# Altium PCB PCB1.PcbDoc (part 4 of 6)
Units mil, origin at the board's own origin, x right, y up, seen from the top; angles counter-clockwise.
Board outline 6000 x 4000 mil, 2 copper layers (Top Layer, Bottom Layer); 1225 components, 1503 nets, 4471 pads, 66 vias.
Unrouted connection lines stored in the file: 2021.
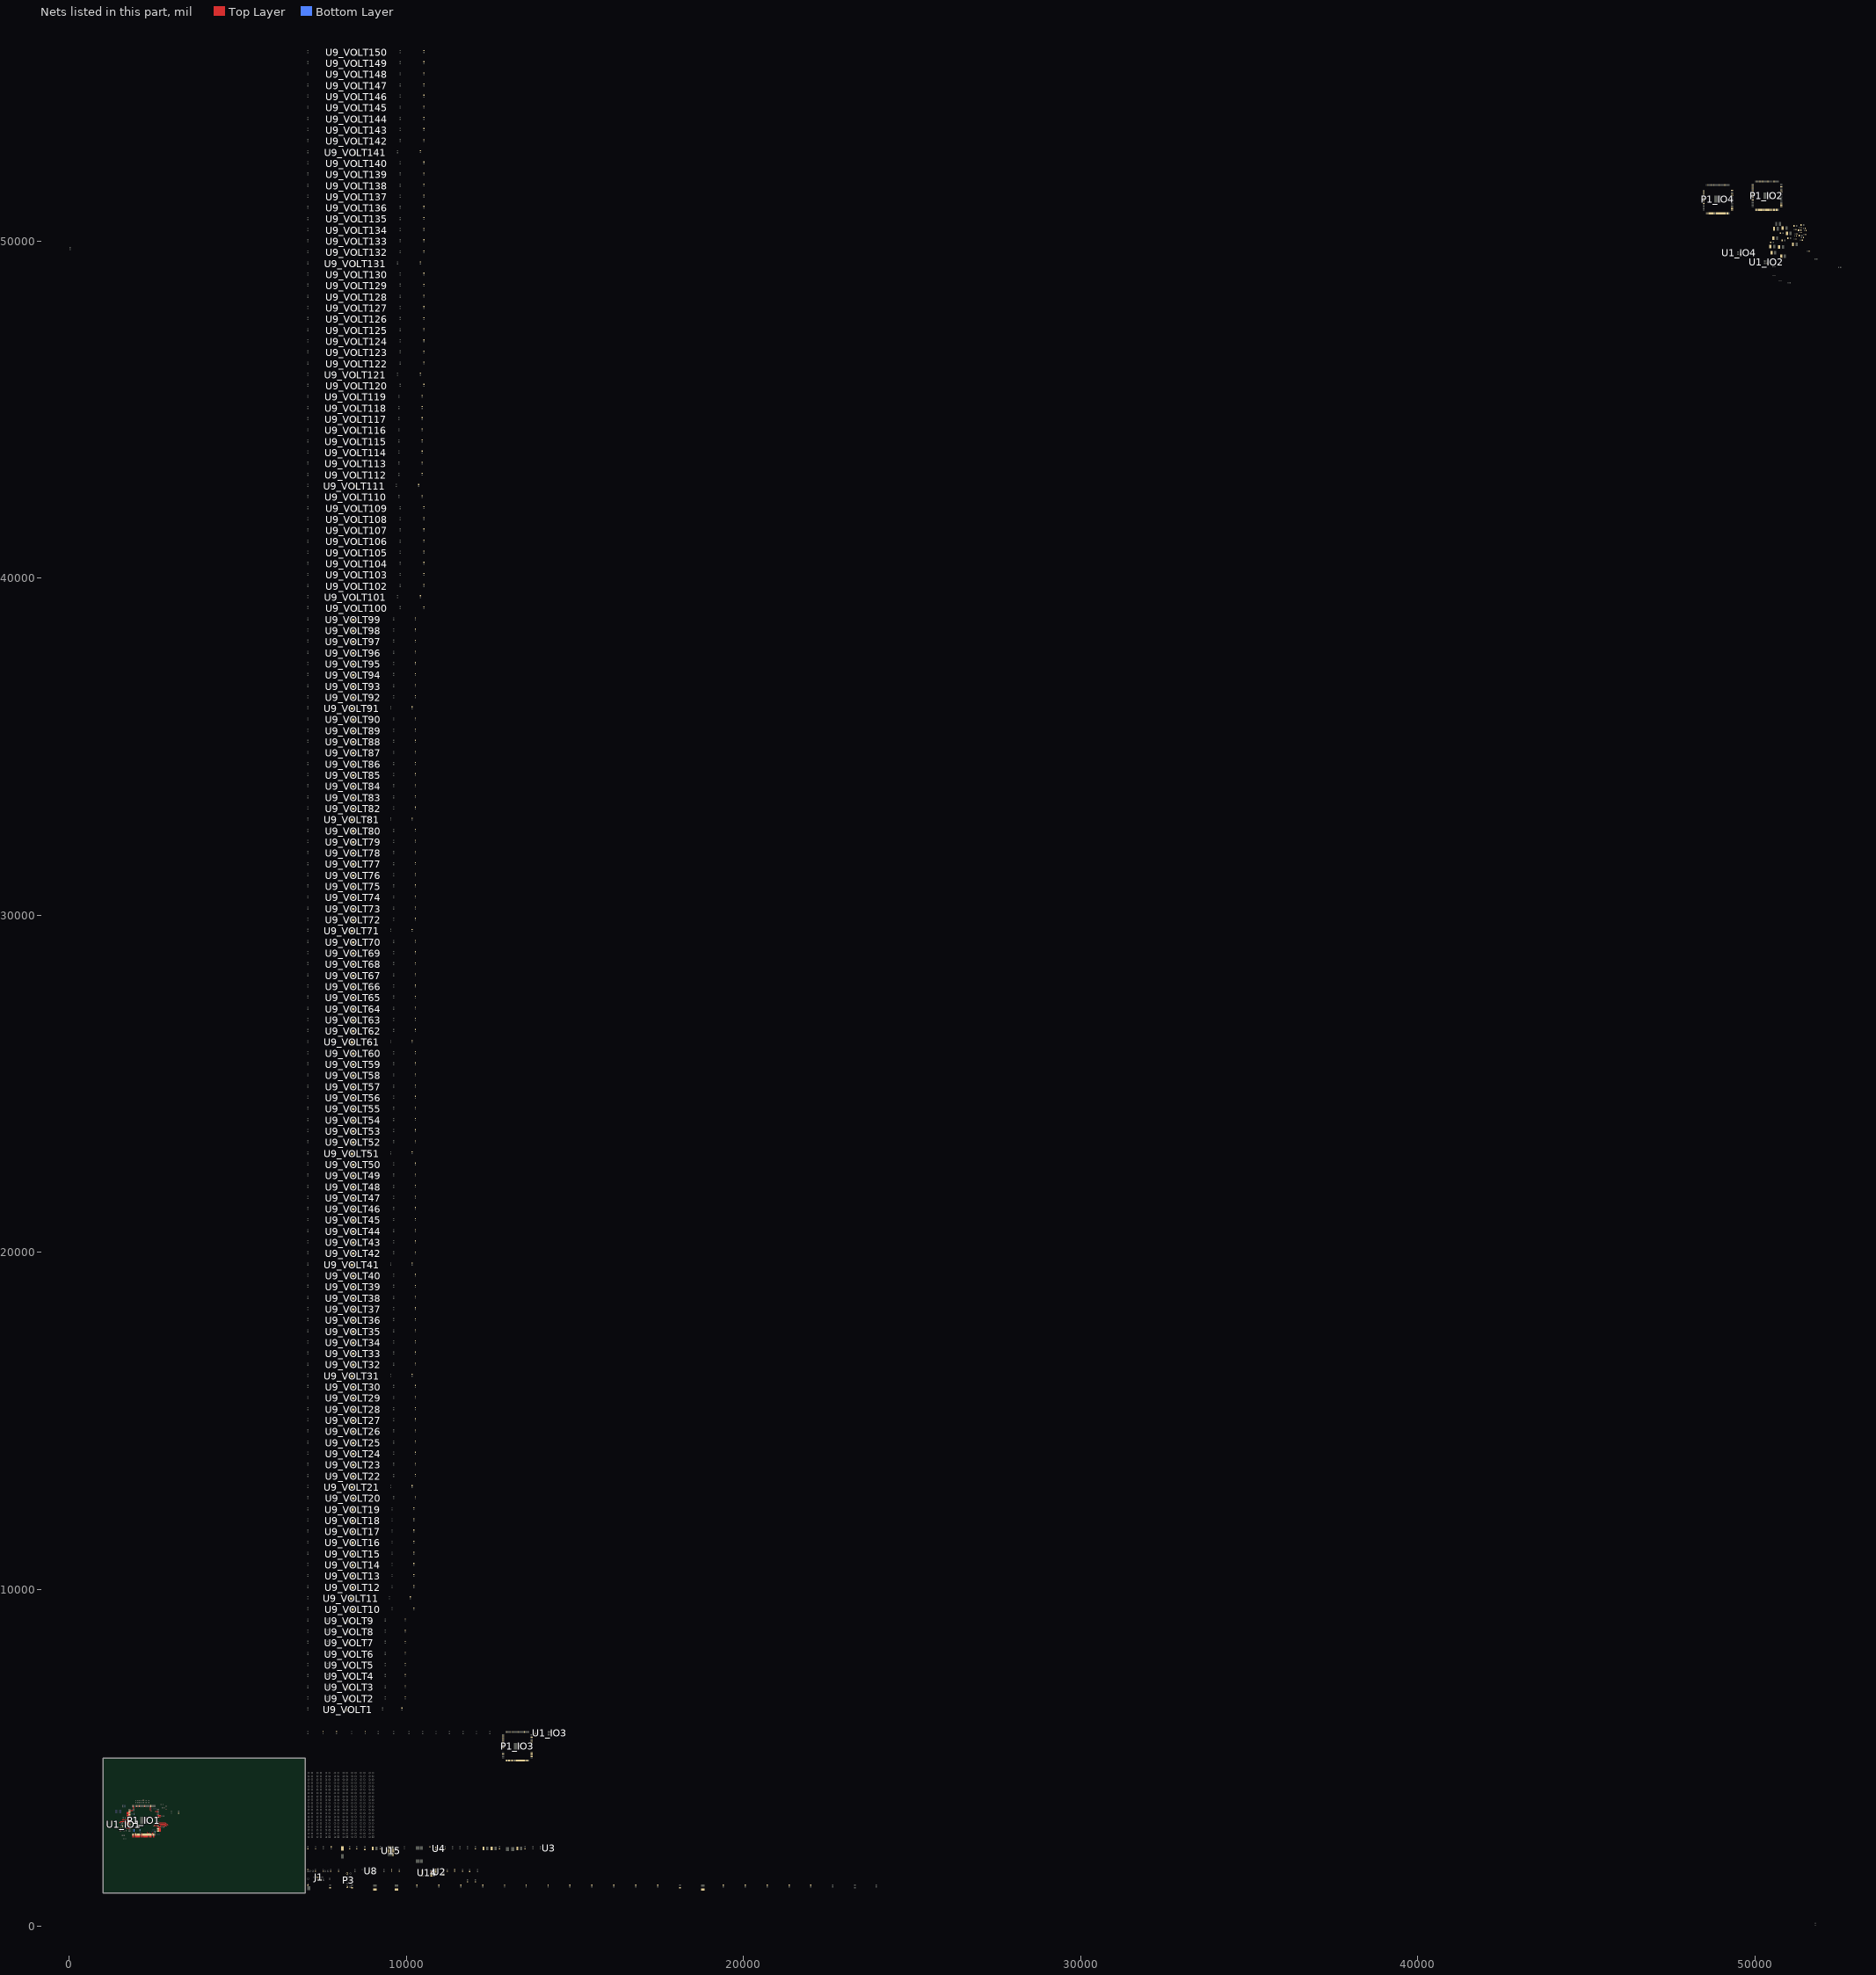
[diagram p4: the nets of this part, all layers, seen from the top]

## Footprints (in the part's own frame and the unit in brackets; to place one, negate y for a bottom-side part, rotate by r counter-clockwise, add the part's x,y. Pads: shape width x height; smd on the part's side, far side on the other; paste and mask are expansions set on the pad)
10M04SCE144C8G [mm]
  rect 1.475x0.3 smd: 1(-10.738,8.75) 2(-10.738,8.25) 3(-10.738,7.75) 4(-10.738,7.25) 5(-10.738,6.75) 6(-10.738,6.25) 7(-10.738,5.75) 8(-10.738,5.25) 9(-10.738,4.75) 10(-10.738,4.25) 11(-10.738,3.75) 12(-10.738,3.25) 13(-10.738,2.75) 14(-10.738,2.25) 15(-10.738,1.75) 16(-10.738,1.25) 17(-10.738,0.75) 18(-10.738,0.25) 19(-10.738,-0.25) 20(-10.738,-0.75) 21(-10.738,-1.25) 22(-10.738,-1.75) 23(-10.738,-2.25) 24(-10.738,-2.75) 25(-10.738,-3.25) 26(-10.738,-3.75) 27(-10.738,-4.25) 28(-10.738,-4.75) 29(-10.738,-5.25) 30(-10.738,-5.75) 31(-10.738,-6.25) 32(-10.738,-6.75) 33(-10.738,-7.25) 34(-10.738,-7.75) 35(-10.738,-8.25) 36(-10.738,-8.75) 73(10.738,-8.75) 74(10.738,-8.25) 75(10.738,-7.75) 76(10.738,-7.25) 77(10.738,-6.75) 78(10.738,-6.25) 79(10.738,-5.75) 80(10.738,-5.25) 81(10.738,-4.75) 82(10.738,-4.25) 83(10.738,-3.75) 84(10.738,-3.25) 85(10.738,-2.75) 86(10.738,-2.25) 87(10.738,-1.75) 88(10.738,-1.25) 89(10.738,-0.75) 90(10.738,-0.25) 91(10.738,0.25) 92(10.738,0.75) 93(10.738,1.25) 94(10.738,1.75) 95(10.738,2.25) 96(10.738,2.75) 97(10.738,3.25) 98(10.738,3.75) 99(10.738,4.25) 100(10.738,4.75) 101(10.738,5.25) 102(10.738,5.75) 103(10.738,6.25) 104(10.738,6.75) 105(10.738,7.25) 106(10.738,7.75) 107(10.738,8.25) 108(10.738,8.75)
  rect 0.3x1.475 smd: 37(-8.75,-10.738) 38(-8.25,-10.738) 39(-7.75,-10.738) 40(-7.25,-10.738) 41(-6.75,-10.738) 42(-6.25,-10.738) 43(-5.75,-10.738) 44(-5.25,-10.738) 45(-4.75,-10.738) 46(-4.25,-10.738) 47(-3.75,-10.738) 48(-3.25,-10.738) 49(-2.75,-10.738) 50(-2.25,-10.738) 51(-1.75,-10.738) 52(-1.25,-10.738) 53(-0.75,-10.738) 54(-0.25,-10.738) 55(0.25,-10.738) 56(0.75,-10.738) 57(1.25,-10.738) 58(1.75,-10.738) 59(2.25,-10.738) 60(2.75,-10.738) 61(3.25,-10.738) 62(3.75,-10.738) 63(4.25,-10.738) 64(4.75,-10.738) 65(5.25,-10.738) 66(5.75,-10.738) 67(6.25,-10.738) 68(6.75,-10.738) 69(7.25,-10.738) 70(7.75,-10.738) 71(8.25,-10.738) 72(8.75,-10.738) 109(8.75,10.738) 110(8.25,10.738) 111(7.75,10.738) 112(7.25,10.738) 113(6.75,10.738) 114(6.25,10.738) 115(5.75,10.738) 116(5.25,10.738) 117(4.75,10.738) 118(4.25,10.738) 119(3.75,10.738) 120(3.25,10.738) 121(2.75,10.738) 122(2.25,10.738) 123(1.75,10.738) 124(1.25,10.738) 125(0.75,10.738) 126(0.25,10.738) 127(-0.25,10.738) 128(-0.75,10.738) 129(-1.25,10.738) 130(-1.75,10.738) 131(-2.25,10.738) 132(-2.75,10.738) 133(-3.25,10.738) 134(-3.75,10.738) 135(-4.25,10.738) 136(-4.75,10.738) 137(-5.25,10.738) 138(-5.75,10.738) 139(-6.25,10.738) 140(-6.75,10.738) 141(-7.25,10.738) 142(-7.75,10.738) 143(-8.25,10.738) 144(-8.75,10.738)
  rect 5.15x5.15 smd: 145(0,0)
  silkscreen extent -11.35,-9.78 9.78,9.78, body extent -11,-11 11,11, height 1.65
74HC151DB,118 [mm]
  rect 1.675x0.45 smd: 1(-3.488,2.275) 2(-3.488,1.625) 3(-3.488,0.975) 4(-3.488,0.325) 5(-3.488,-0.325) 6(-3.488,-0.975) 7(-3.488,-1.625) 8(-3.488,-2.275) 9(3.488,-2.275) 10(3.488,-1.625) 11(3.488,-0.975) 12(3.488,-0.325) 13(3.488,0.325) 14(3.488,0.975) 15(3.488,1.625) 16(3.488,2.275)
  silkscreen extent -4.32,-3.1 2.3,3.17, body extent -3.88,-3.1 3.88,3.1, height 2
0603C [mm]
  rect 0.762x0.9 smd: 1(-0.7,0) 2(0.7,0)
  silkscreen extent -1.27,-0.64 1.27,0.64, body extent -0.8,-0.4 0.8,0.4, height 0.93
0603L [mil]
  rect 30x35 smd: 1(30,0) 2(-30,0)
  silkscreen extent -50,-25 50,25, body extent -31,-16 31,16, height 31
0603R [mil]
  rect 30x35 smd: 1(30,0) 2(-30,0)
  silkscreen extent -50,-25 50,25, body extent -31,-17 31,17, height 18
0805C [mm]
  rect 1x1.25 smd: 1(-1,0) 2(1,0)
  silkscreen extent -1.65,-0.89 1.65,0.89, body extent -1,-0.6 1,0.6, height 0.91
1210C [mm]
  rect 1.6x2.794 smd: 1(-1.4,0) 2(1.4,0)
  silkscreen extent -2.41,-1.65 2.41,1.65, body extent -1.6,-1.25 1.6,1.25, height 2.5
ASE-25.000MHZ-LC-T [mm]
  rect 1.3x1.1 smd: 1(-1.05,-0.825) 2(1.05,-0.825) 3(1.05,0.825) 4(-1.05,0.825)
  silkscreen extent -1.6,-1.65 1.6,1.25, body extent -1.6,-1.26 1.6,1.26, height 1.1
CDRH124NP-220MC [mm]
  rect 2.45x2.8 smd: 1(-1.475,-4.9) 2(1.475,-4.9) 3(1.475,4.9) 4(-1.475,4.9)
  silkscreen extent -6,-6 6,6, body extent -6,-6.05 6,6.05, height 4.6
EEE-FN1J100L [mm]
  rect 3.4x1.8 smd: 1(-3,0) 2(3,0)
  silkscreen extent -3.3,-3.3 3.3,3.3, body extent -3.9,-3.4 3.9,3.4, height 6.1
HDR2X5 [mm] "Connector; Header; 5x2 Position"
  rect 1.5x1.5 hole 0.9: 1(0,0)
  round 1.5 hole 0.9: 2(0,2.54) 3(2.54,0) 4(2.54,2.54) 5(5.08,0) 6(5.08,2.54) 7(7.62,0) 8(7.62,2.54) 9(10.16,0) 10(10.16,2.54)
  silkscreen extent -1.27,-1.27 11.43,3.81
HDR2X20 [mm] "Connector; Header; 20x2 Position"
  rect 1.5x1.5 hole 0.9: 1(0,0)
  round 1.5 hole 0.9: 2(0,2.54) 3(2.54,0) 4(2.54,2.54) 5(5.08,0) 6(5.08,2.54) 7(7.62,0) 8(7.62,2.54) 9(10.16,0) 10(10.16,2.54) 11(12.7,0) 12(12.7,2.54) 13(15.24,0) 14(15.24,2.54) 15(17.78,0) 16(17.78,2.54) 17(20.32,0) 18(20.32,2.54) 19(22.86,0) 20(22.86,2.54) 21(25.4,0) 22(25.4,2.54) 23(27.94,0) 24(27.94,2.54) 25(30.48,0) 26(30.48,2.54) 27(33.02,0) 28(33.02,2.54) 29(35.56,0) 30(35.56,2.54) 31(38.1,0) 32(38.1,2.54) 33(40.64,0) 34(40.64,2.54) 35(43.18,0) 36(43.18,2.54) 37(45.72,0) 38(45.72,2.54) 39(48.26,0) 40(48.26,2.54)
  silkscreen extent -1.27,-1.27 49.53,3.81
IHLP1616BZER2R2M5A [mil]
  rect 90x120 smd: 1(0,0) 2(157.48,0)
  silkscreen extent -10,-85 165,85
IX4427MTR [mm]
  rect 0.85x0.35 smd: 1(-1.45,0.975) 2(-1.45,0.325) 3(-1.45,-0.325) 4(-1.45,-0.975) 5(1.45,-0.975) 6(1.45,-0.325) 7(1.45,0.325) 8(1.45,0.975)
  rect 1.7x2.05 smd: 9(0,0)
  silkscreen extent -1.78,-1.5 0.97,1.7, body extent -1.55,-1.5 1.55,1.5, height 0.9
LED_0603 [mm]
  rect 0.7x0.8 smd: 1(-0.8,0) 2(0.8,0)
  silkscreen extent -1.35,-0.6 1.35,0.6, body extent -0.8,-0.4 0.8,0.4, height 0.75
MAX3232CPWR [mm]
  rect 1.475x0.45 smd: 1(-2.938,2.275) 2(-2.938,1.625) 3(-2.938,0.975) 4(-2.938,0.325) 5(-2.938,-0.325) 6(-2.938,-0.975) 7(-2.938,-1.625) 8(-2.938,-2.275) 9(2.938,-2.275) 10(2.938,-1.625) 11(2.938,-0.975) 12(2.938,-0.325) 13(2.938,0.325) 14(2.938,0.975) 15(2.938,1.625) 16(2.938,2.275)
  silkscreen extent -1.85,-2.5 1.85,2.5, body extent -3.2,-2.5 3.2,2.5, height 1.2
MCP4562T-503E/MS [mil]
  rect 60x18 smd: 1(-80,38) 2(-80,13) 3(-80,-13) 4(-80,-38) 5(80,-38) 6(80,-13) 7(80,13) 8(80,38)
  silkscreen extent -101,-59 45,69, body extent -99,-59 97,59, height 43
MP2333HGTL-P [mm]
  rect 0.475x0.3 smd: 1(-0.838,0.75) 2(-0.838,0.25) 3(-0.838,-0.25) 4(-0.838,-0.75) 5(0.838,-0.75) 6(0.838,-0.25) 7(0.838,0.25) 8(0.838,0.75)
  silkscreen extent -1.27,-1.05 0.25,1.42, body extent -0.8,-1.05 0.8,1.05, height 0.6
NUP4114HMR6T1G [mm]
  rect 1.25x0.6 smd: 1(-1.25,0.95) 2(-1.25,0) 3(-1.25,-0.95) 4(1.25,-0.95) 5(1.25,0) 6(1.25,0.95)
  silkscreen extent -1.5,-1.5 0.28,1.83, body extent -1.38,-1.5 1.38,1.5, height 1.1
RJHSE5381 [mm]
  round 1.462 hole 0.94: 1(3.501,0.125) 2(2.481,1.905) 3(1.461,0.125) 4(0.441,1.905) 5(-0.579,0.125) 6(-1.599,1.905) 7(-2.619,0.125) 8(-3.639,1.905) 9(6.801,6.735) 10(4.511,6.735) 11(-4.649,6.735) 12(-6.939,6.735) MH1(-8.199,1.015) MH2(8.061,1.015)
  round 1.65 hole 3.3 unplated: MH3(-6.419,-2.415) MH4(6.281,-2.415)
  silkscreen extent -8.32,-7.88 8.93,7.88, body extent -8.57,-7.88 8.43,7.88, height 13.1
TPS61175PWPR [mm]
  rect 1.6x0.3 smd paste-2: 1(-2.8,1.95) 2(-2.8,1.3) 3(-2.8,0.65) 4(-2.8,0) 5(-2.8,-0.65) 6(-2.8,-1.3) 7(-2.8,-1.95) 8(2.8,-1.95) 9(2.8,-1.3) 10(2.8,-0.65) 11(2.8,0) 12(2.8,0.65) 13(2.8,1.3) 14(2.8,1.95)
  rect 3.4x5 smd paste-3 mask+0: 15(0,0)
  round 0.44 hole 0.33 mask+0: 16(-0.75,1.5) 17(0.75,1.5) 20(-0.75,-1.5) 21(0.75,-1.5)
  round 0.44 hole 0.33: 18(-0.75,0) 19(0.75,0)
  silkscreen extent -4.3,-2.5 2.2,2.5, body extent -3.2,-2.5 3.2,2.5, height 1.2
V8PAM10SHM3H [mm]
  rect 3.1x2.2 smd: 1(-1.095,0)
  rect 1.5x1.52 smd: 2(2.125,0)
  silkscreen extent -2.92,-1.3 2.12,1.3, body extent -2.42,-1.3 2.73,1.3, height 1.1

## Part data
C1_IO1 C1_IO2 C1_IO3 C1_IO4 C4_POWER1 C4_POWER2 C4_POWER3 C4_POWER4 C5_POWER1 C5_POWER2 C5_POWER3 C5_POWER4 C6_POWER1 C6_POWER2 C6_POWER3 C6_POWER4 C8_POWER1 C8_POWER2 C8_POWER3 C8_POWER4 C9_POWER1 C9_POWER2 C9_POWER3 C9_POWER4 C12_POWER1 C12_POWER2 C12_POWER3 C12_POWER4 C13_POWER1 C13_POWER2 C13_POWER3 C13_POWER4 C15_POWER1 C15_POWER2 C15_POWER3 C15_POWER4 C16_POWER1 C16_POWER2 C16_POWER3 C16_POWER4 C17_POWER1 C17_POWER2 C17_POWER3 C17_POWER4 C23_POWER1 C23_POWER2 C23_POWER3 C23_POWER4 C24_POWER1 C24_POWER2 C24_POWER3 C24_POWER4 C45_POWER1 C45_POWER2 C45_POWER3 C45_POWER4 C48_POWER1 C48_POWER2 C48_POWER3 C48_POWER4 C49_POWER1 C49_POWER2 C49_POWER3 C49_POWER4 C50_POWER1 C50_POWER2 C50_POWER3 C50_POWER4 C51_POWER1 C51_POWER2 C51_POWER3 C51_POWER4 C52_POWER1 C52_POWER2 C52_POWER3 C52_POWER4 C57_POWER1 C57_POWER2 C57_POWER3 C57_POWER4 C58_POWER1 C58_POWER2 C58_POWER3 C58_POWER4 C59_POWER1 C59_POWER2 C59_POWER3 C59_POWER4 C60_POWER1 C60_POWER2 C60_POWER3 C60_POWER4 C61_POWER1 C61_POWER2 C61_POWER3 C61_POWER4 C62_POWER1 C62_POWER2 C62_POWER3 C62_POWER4 C64_POWER1 C64_POWER2 C64_POWER3 C64_POWER4 C65_POWER1 C65_POWER2 C65_POWER3 C65_POWER4 C66_POWER1 C66_POWER2 C66_POWER3 C66_POWER4 C67_POWER1 C67_POWER2 C67_POWER3 C67_POWER4: library part Cap, "Multilayer Ceramic Capacitors MLCC - SMD/SMT 0603 16VDC 0.1uF 10% X7R AEC-Q200", Mfr="Taiyo Yuden", Mfr Part No=EMK107B7104KAHT, Package=0603, Price=0.101, Stockiest=MOUSER, Stockiest Part No=963-EMK107B7104KAHT
C2_POWER1 C2_POWER2 C2_POWER3 C2_POWER4 C3_POWER1 C3_POWER2 C3_POWER3 C3_POWER4 C14_POWER1 C14_POWER2 C14_POWER3 C14_POWER4 C53_POWER1 C53_POWER2 C53_POWER3 C53_POWER4: library part Cap, "Multilayer Ceramic Capacitors MLCC - SMD/SMT 16V 0.01uF X7R 0603 10% AEC-Q200", Mfr=KEMET, Mfr Part No=C0603C103K4RECAUTO, Package=0603, Price=0.151, Stockiest=MOUSER, Stockiest Part No=80-C0603C103K4RECAUT
C7_POWER1 C7_POWER2 C7_POWER3 C7_POWER4 C47_POWER1 C47_POWER2 C47_POWER3 C47_POWER4 C54_POWER1 C54_POWER2 C54_POWER3 C54_POWER4 C68_POWER1 C68_POWER2 C68_POWER3 C68_POWER4: library part Cap, "Multilayer Ceramic Capacitors MLCC - SMD/SMT 16V 0.47uF 0603 X7R 5% AEC-Q200", Mfr=KEMET, Mfr Part No=C0603C474J4RACAUTO, Package=0603, Price=0.444, Stockiest=MOUSER, Stockiest Part No=80-C0603C474J4RAUTO
C10_POWER1 C10_POWER2 C10_POWER3 C10_POWER4 C28 C46_POWER1 C46_POWER2 C46_POWER3 C46_POWER4 C55_POWER1 C55_POWER2 C55_POWER3 C55_POWER4 C69_POWER1 C69_POWER2 C69_POWER3 C69_POWER4 C70_POWER1 C70_POWER2 C70_POWER3 C70_POWER4: library part Cap, "Multilayer Ceramic Capacitors MLCC - SMD/SMT 0805 25VDC 10uF 20% X5R", Mfr="Taiyo Yuden", Mfr Part No=TMK212BBJ106MG-T, Package=0805, Price=0.232, Stockiest=MOUSER, Stockiest Part No=963-TMK212BBJ106MG-T
C11_POWER1 C11_POWER2 C11_POWER3 C11_POWER4 C19 C26 C27 C29 C56_POWER1 C56_POWER2 C56_POWER3 C56_POWER4 C71_POWER1 C71_POWER2 C71_POWER3 C71_POWER4 C72_POWER1 C72_POWER2 C72_POWER3 C72_POWER4: library part Cap, "Multilayer Ceramic Capacitors MLCC - SMD/SMT 1210 25VDC 22uF 20% X7R AEC-Q200", Mfr="Taiyo Yuden", Mfr Part No=TMK325B7226MMHP, Package=1210, Price=0.807, Stockiest=MOUSER, Stockiest Part No=963-TMK325B7226MMHP
C18: library part Cap, "Multilayer Ceramic Capacitors MLCC - SMD/SMT 16volts 1uF X7R 10%", Mfr=KEMET, Mfr Part No=C0603C105K4RAC7411, Package=0603, Price=0.101, Stockiest=MOUSER, Stockiest Part No=80-C0603C105K4RLR
C20 C30 C31 C34_VOLT1 C34_VOLT2 C34_VOLT3 C34_VOLT4 C34_VOLT5 C34_VOLT6 C34_VOLT7 C34_VOLT8 C34_VOLT9 C34_VOLT10 C34_VOLT11 C34_VOLT12 C34_VOLT13 C34_VOLT14 C34_VOLT15 C34_VOLT16 C34_VOLT17 C34_VOLT18 C34_VOLT19 C34_VOLT20 C34_VOLT21 C34_VOLT22 C34_VOLT23 C34_VOLT24 C34_VOLT25 C34_VOLT26 C34_VOLT27 C34_VOLT28 C34_VOLT29 C34_VOLT30 C34_VOLT31 C34_VOLT32 C34_VOLT33 C34_VOLT34 C34_VOLT35 C34_VOLT36 C34_VOLT37 C34_VOLT38 C34_VOLT39 C34_VOLT40 C34_VOLT41 C34_VOLT42 C34_VOLT43 C34_VOLT44 C34_VOLT45 C34_VOLT46 C34_VOLT47 C34_VOLT48 C34_VOLT49 C34_VOLT50 C34_VOLT51 C34_VOLT52 C34_VOLT53 C34_VOLT54 C34_VOLT55 C34_VOLT56 C34_VOLT57 C34_VOLT58 C34_VOLT59 C34_VOLT60 C34_VOLT61 C34_VOLT62 C34_VOLT63 C34_VOLT64 C34_VOLT65 C34_VOLT66 C34_VOLT67 C34_VOLT68 C34_VOLT69 C34_VOLT70 C34_VOLT71 C34_VOLT72 C34_VOLT73 C34_VOLT74 C34_VOLT75 C34_VOLT76 C34_VOLT77 C34_VOLT78 C34_VOLT79 C34_VOLT80 C34_VOLT81 C34_VOLT82 C34_VOLT83 C34_VOLT84 C34_VOLT85 C34_VOLT86 C34_VOLT87 C34_VOLT88 C34_VOLT89 C34_VOLT90 C34_VOLT91 C34_VOLT92 C34_VOLT93 C34_VOLT94 C34_VOLT95 C34_VOLT96 C34_VOLT97 C34_VOLT98 C34_VOLT99 C34_VOLT100 C34_VOLT101 C34_VOLT102 C34_VOLT103 C34_VOLT104 C34_VOLT105 C34_VOLT106 C34_VOLT107 C34_VOLT108 C34_VOLT109 C34_VOLT110 C34_VOLT111 C34_VOLT112 C34_VOLT113 C34_VOLT114 C34_VOLT115 C34_VOLT116 C34_VOLT117 C34_VOLT118 C34_VOLT119 C34_VOLT120 C34_VOLT121 C34_VOLT122 C34_VOLT123 C34_VOLT124 C34_VOLT125 C34_VOLT126 C34_VOLT127 C34_VOLT128 C34_VOLT129 C34_VOLT130 C34_VOLT131 C34_VOLT132 C34_VOLT133 C34_VOLT134 C34_VOLT135 C34_VOLT136 C34_VOLT137 C34_VOLT138 C34_VOLT139 C34_VOLT140 C34_VOLT141 C34_VOLT142 C34_VOLT143 C34_VOLT144 C34_VOLT145 C34_VOLT146 C34_VOLT147 C34_VOLT148 C34_VOLT149 C34_VOLT150 C40 C41 C42 C43 C44: library part Cap, "Multilayer Ceramic Capacitors MLCC - SMD/SMT 50V 0.1uF 0603 X7R 20%", Mfr=KEMET, Mfr Part No=C0603C104M5RACTU, Package=0603, Price=0.101, Stockiest=MOUSER, Stockiest Part No=80-C0603C104M5R
C21: library part Cap, "Multilayer Ceramic Capacitors MLCC - SMD/SMT 63V 1000pF 0603 X7R 10% AEC-Q200", Mfr=KEMET, Mfr Part No=80-C0603C102KMREAUTO, Package=0603, Price=0.201, Stockiest=MOUSER, Stockiest Part No=C0603C102KMRECAUTO
C22: library part Cap, "Multilayer Ceramic Capacitors MLCC - SMD/SMT 0603 50VDC 6.8nF 5% C0G AEC-Q200", Mfr=TDK, Mfr Part No=CGA3E2C0G1H682J080AE, Package=0603, Price=0.363, Stockiest=MOUSER, Stockiest Part No=810-CGA3E2C0G1H682J8
C25 C36 C37 C38 C39: library part Cap, "Multilayer Ceramic Capacitors MLCC - SMD/SMT 50V 10pF 0603 C0G 5% AEC-Q200", Mfr=KEMET, Mfr Part No=C0603C100J5GACAUTO, Package=0603, Price=0.192, Stockiest=MOUSER, Stockiest Part No=80-C0603C100J5GAUTO
C32: library part Cap, "Multilayer Ceramic Capacitors MLCC - SMD/SMT 0603 2.2uF 20% 50VDC X5R", Mfr="Murata Electronics", Mfr Part No=GRM188R61H225ME11J, Package=0603, Price=0.333, Stockiest=MOUSER, Stockiest Part No=81-GRM188R61H225ME1J
C33: library part "Cap Pol1", "Polarized Capacitor (Radial)", Mfr=Panasonic, Mfr Part No=EEE-FN1J100L, Package=SMD, Price=0.484, Stockiest=MOUSER, Stockiest Part No=667-EEE-FN1J100L
C35 C63: library part Cap, "Multilayer Ceramic Capacitors MLCC - SMD/SMT 50V 0.047uF 0603 X7R 10%", Mfr=KEMET, Mfr Part No=C0603C473K5RAC7411, Package=0603, Price=0.121, Stockiest=MOUSER, Stockiest Part No=80-C0603C473K5RLR
D1_IO1 D1_IO2 D1_IO3 D1_IO4 D2_IO1 D2_IO2 D2_IO3 D2_IO4: library part LED, "Standard LEDs - SMD Red 631nm 14mcd 5mA", Mfr=Lite-On, Mfr Part No=LTST-C193KRKT-5A, Package=0603, Price=0.393, Stockiest=MOUSER, Stockiest Part No=859-LTSTC193KRKT5A
D7: "Schottky Diodes & Rectifiers 8A 100V", Mfr="Vishay General Semiconductor", Mfr Part No=V8PAM10S-M3/H, Price=0.39, Stockiest=MOUSER, Stockiest Part No=78-V8PAM10S-M3/H
J1: "Modular Connectors / Ethernet Connectors R/A RJ45 SHEILDED 8 CONT Y/G LEDS", Mfr="Amphenol Commercial Products", Mfr Part No=RJHSE-5381, Price=1.77, Stockiest=MOUSER, Stockiest Part No=523-RJHSE-5381
L1_POWER1 L1_POWER2 L1_POWER3 L1_POWER4 L2_POWER1 L2_POWER2 L2_POWER3 L2_POWER4 L3_POWER1 L3_POWER2 L3_POWER3 L3_POWER4: library part 0805_IND, "Ferrite Beads 100ohms 1A 60mOhms 0603 Ferrite Chip", Mfr=TDK, Mfr Part No=MPZ1608D101BTA00, Package=0603, Price=0.10, Stockiest=MOUSER, Stockiest Part No=810-MPZ1608D101BTA00
L5: library part INDUCTOR, "Fixed Inductors 2.2uH 20% High Temp AEC-Q200", Mfr="Vishay / Dale", Mfr Part No=IHLP1616BZER2R2M5A, Price=1.36, Stockiest=MOUSER, Stockiest Part No=70-IHLP1616BZR2R2M5A
L6: library part INDUCTOR, "Fixed Inductors 22uH 2.9A 20% SMD PWR INDUCTOR", Mfr=Sumida, Mfr Part No=CDRH124NP-220MC, Price=1.42, Stockiest=MOUSER, Stockiest Part No=851-CDRH124NP-220MC
P1_IO1 P1_IO2 P1_IO3 P1_IO4: "FPGA - Field Programmable Gate Array non-volatile FPGA, 101 I/O, 144EQFP", Mfr="Intel / Altera", Mfr Part No=10M04SCE144C8G, Package=EQFP144, Price=11.52, Stockiest=MOUSER, Stockiest Part No=989-10M04SCE144C8G
P2 P4 P5 P6 P7 P8 P9 P10: "Headers & Wire Housings 2X20 POS VERT TIN", Mfr="TE Connectivity / AMP", Mfr Part No=2-826942-0, Package=DIN, Price=2.5, Stockiest=MOUSER, Stockiest Part No=571-2-826942-0
P3: library part "Header 5X2", "Header, 5-Pin, Dual row", Stockiest=MOUSER
R1_IO1 R1_IO2 R1_IO3 R1_IO4 R2_IO1 R2_IO2 R2_IO3 R2_IO4 R3_IO1 R3_IO2 R3_IO3 R3_IO4 R4_IO1 R4_IO2 R4_IO3 R4_IO4 R5_IO1 R5_IO2 R5_IO3 R5_IO4 R6_IO1 R6_IO2 R6_IO3 R6_IO4 R7_IO1 R7_IO2 R7_IO3 R7_IO4 R10 R11 R22 R23 R24 R25 R30 R31 R32 R33 R34: library part Res1, "Thick Film Resistors - SMD 0603 10Kohms 1% Anti-Sulfur AEC-Q200", Mfr="ROHM Semiconductor", Mfr Part No=SFR03EZPF1002, Package=0603, Price=0.101, Stockiest=MOUSER, Stockiest Part No=755-SFR03EZPF1002
R8_IO1 R8_IO2 R8_IO3 R8_IO4 R21_IO1 R21_IO2 R21_IO3 R21_IO4: library part Res1, "Thick Film Resistors - SMD 1/10Watt 220ohms 5% Commercial Use", Mfr="Vishay / Dale", Mfr Part No=CRCW0603220RJNEAC, Package=0603, Price=0.101, Stockiest=MOUSER, Stockiest Part No=71-CRCW0603220RJNEAC
R9 R12 R13_IO1 R13_IO2 R13_IO3 R13_IO4 R26_VOLT1 R26_VOLT2 R26_VOLT3 R26_VOLT4 R26_VOLT5 R26_VOLT6 R26_VOLT7 R26_VOLT8 R26_VOLT9 R26_VOLT10 R26_VOLT11 R26_VOLT12 R26_VOLT13 R26_VOLT14 R26_VOLT15 R26_VOLT16 R26_VOLT17 R26_VOLT18 R26_VOLT19 R26_VOLT20 R26_VOLT21 R26_VOLT22 R26_VOLT23 R26_VOLT24 R26_VOLT25 R26_VOLT26 R26_VOLT27 R26_VOLT28 R26_VOLT29 R26_VOLT30 R26_VOLT31 R26_VOLT32 R26_VOLT33 R26_VOLT34 R26_VOLT35 R26_VOLT36 R26_VOLT37 R26_VOLT38 R26_VOLT39 R26_VOLT40 R26_VOLT41 R26_VOLT42 R26_VOLT43 R26_VOLT44 R26_VOLT45 R26_VOLT46 R26_VOLT47 R26_VOLT48 R26_VOLT49 R26_VOLT50 R26_VOLT51 R26_VOLT52 R26_VOLT53 R26_VOLT54 R26_VOLT55 R26_VOLT56 R26_VOLT57 R26_VOLT58 R26_VOLT59 R26_VOLT60 R26_VOLT61 R26_VOLT62 R26_VOLT63 R26_VOLT64 R26_VOLT65 R26_VOLT66 R26_VOLT67 R26_VOLT68 R26_VOLT69 R26_VOLT70 R26_VOLT71 R26_VOLT72 R26_VOLT73 R26_VOLT74 R26_VOLT75 R26_VOLT76 R26_VOLT77 R26_VOLT78 R26_VOLT79 R26_VOLT80 R26_VOLT81 R26_VOLT82 R26_VOLT83 R26_VOLT84 R26_VOLT85 R26_VOLT86 R26_VOLT87 R26_VOLT88 R26_VOLT89 R26_VOLT90 R26_VOLT91 R26_VOLT92 R26_VOLT93 R26_VOLT94 R26_VOLT95 R26_VOLT96 R26_VOLT97 R26_VOLT98 R26_VOLT99 R26_VOLT100 R26_VOLT101 R26_VOLT102 R26_VOLT103 R26_VOLT104 R26_VOLT105 R26_VOLT106 R26_VOLT107 R26_VOLT108 R26_VOLT109 R26_VOLT110 R26_VOLT111 R26_VOLT112 R26_VOLT113 R26_VOLT114 R26_VOLT115 R26_VOLT116 R26_VOLT117 R26_VOLT118 R26_VOLT119 R26_VOLT120 R26_VOLT121 R26_VOLT122 R26_VOLT123 R26_VOLT124 R26_VOLT125 R26_VOLT126 R26_VOLT127 R26_VOLT128 R26_VOLT129 R26_VOLT130 R26_VOLT131 R26_VOLT132 R26_VOLT133 R26_VOLT134 R26_VOLT135 R26_VOLT136 R26_VOLT137 R26_VOLT138 R26_VOLT139 R26_VOLT140 R26_VOLT141 R26_VOLT142 R26_VOLT143 R26_VOLT144 R26_VOLT145 R26_VOLT146 R26_VOLT147 R26_VOLT148 R26_VOLT149 R26_VOLT150 R28_VOLT1 R28_VOLT2 R28_VOLT3 R28_VOLT4 R28_VOLT5 R28_VOLT6 R28_VOLT7 R28_VOLT8 R28_VOLT9 R28_VOLT10 R28_VOLT11 R28_VOLT12 R28_VOLT13 R28_VOLT14 R28_VOLT15 R28_VOLT16 R28_VOLT17 R28_VOLT18 R28_VOLT19 R28_VOLT20 R28_VOLT21 R28_VOLT22 R28_VOLT23 R28_VOLT24 R28_VOLT25 R28_VOLT26 R28_VOLT27 R28_VOLT28 R28_VOLT29 R28_VOLT30 R28_VOLT31 R28_VOLT32 R28_VOLT33 R28_VOLT34 R28_VOLT35 R28_VOLT36 R28_VOLT37 R28_VOLT38 R28_VOLT39 R28_VOLT40 R28_VOLT41 R28_VOLT42 R28_VOLT43 R28_VOLT44 R28_VOLT45 R28_VOLT46 R28_VOLT47 R28_VOLT48 R28_VOLT49 R28_VOLT50 R28_VOLT51 R28_VOLT52 R28_VOLT53 R28_VOLT54 R28_VOLT55 R28_VOLT56 R28_VOLT57 R28_VOLT58 R28_VOLT59 R28_VOLT60 R28_VOLT61 R28_VOLT62 R28_VOLT63 R28_VOLT64 R28_VOLT65 R28_VOLT66 R28_VOLT67 R28_VOLT68 R28_VOLT69 R28_VOLT70 R28_VOLT71 R28_VOLT72 R28_VOLT73 R28_VOLT74 R28_VOLT75 R28_VOLT76 R28_VOLT77 R28_VOLT78 R28_VOLT79 R28_VOLT80 R28_VOLT81 R28_VOLT82 R28_VOLT83 R28_VOLT84 R28_VOLT85 R28_VOLT86 R28_VOLT87 R28_VOLT88 R28_VOLT89 R28_VOLT90 R28_VOLT91 R28_VOLT92 R28_VOLT93 R28_VOLT94 R28_VOLT95 R28_VOLT96 R28_VOLT97 R28_VOLT98 R28_VOLT99 R28_VOLT100 R28_VOLT101 R28_VOLT102 R28_VOLT103 R28_VOLT104 R28_VOLT105 R28_VOLT106 R28_VOLT107 R28_VOLT108 R28_VOLT109 R28_VOLT110 R28_VOLT111 R28_VOLT112 R28_VOLT113 R28_VOLT114 R28_VOLT115 R28_VOLT116 R28_VOLT117 R28_VOLT118 R28_VOLT119 R28_VOLT120 R28_VOLT121 R28_VOLT122 R28_VOLT123 R28_VOLT124 R28_VOLT125 R28_VOLT126 R28_VOLT127 R28_VOLT128 R28_VOLT129 R28_VOLT130 R28_VOLT131 R28_VOLT132 R28_VOLT133 R28_VOLT134 R28_VOLT135 R28_VOLT136 R28_VOLT137 R28_VOLT138 R28_VOLT139 R28_VOLT140 R28_VOLT141 R28_VOLT142 R28_VOLT143 R28_VOLT144 R28_VOLT145 R28_VOLT146 R28_VOLT147 R28_VOLT148 R28_VOLT149 R28_VOLT150: library part Res1, "Resistor", Mfr="Vishay / Dale", Mfr Part No=CRCW06031K00FKEAC, Package=0603, Price=0.1, Stockiest=MOUSER, Stockiest Part No=71-CRCW06031K00FKEAC